# Altium PCB ACS712.PcbDoc (continued)
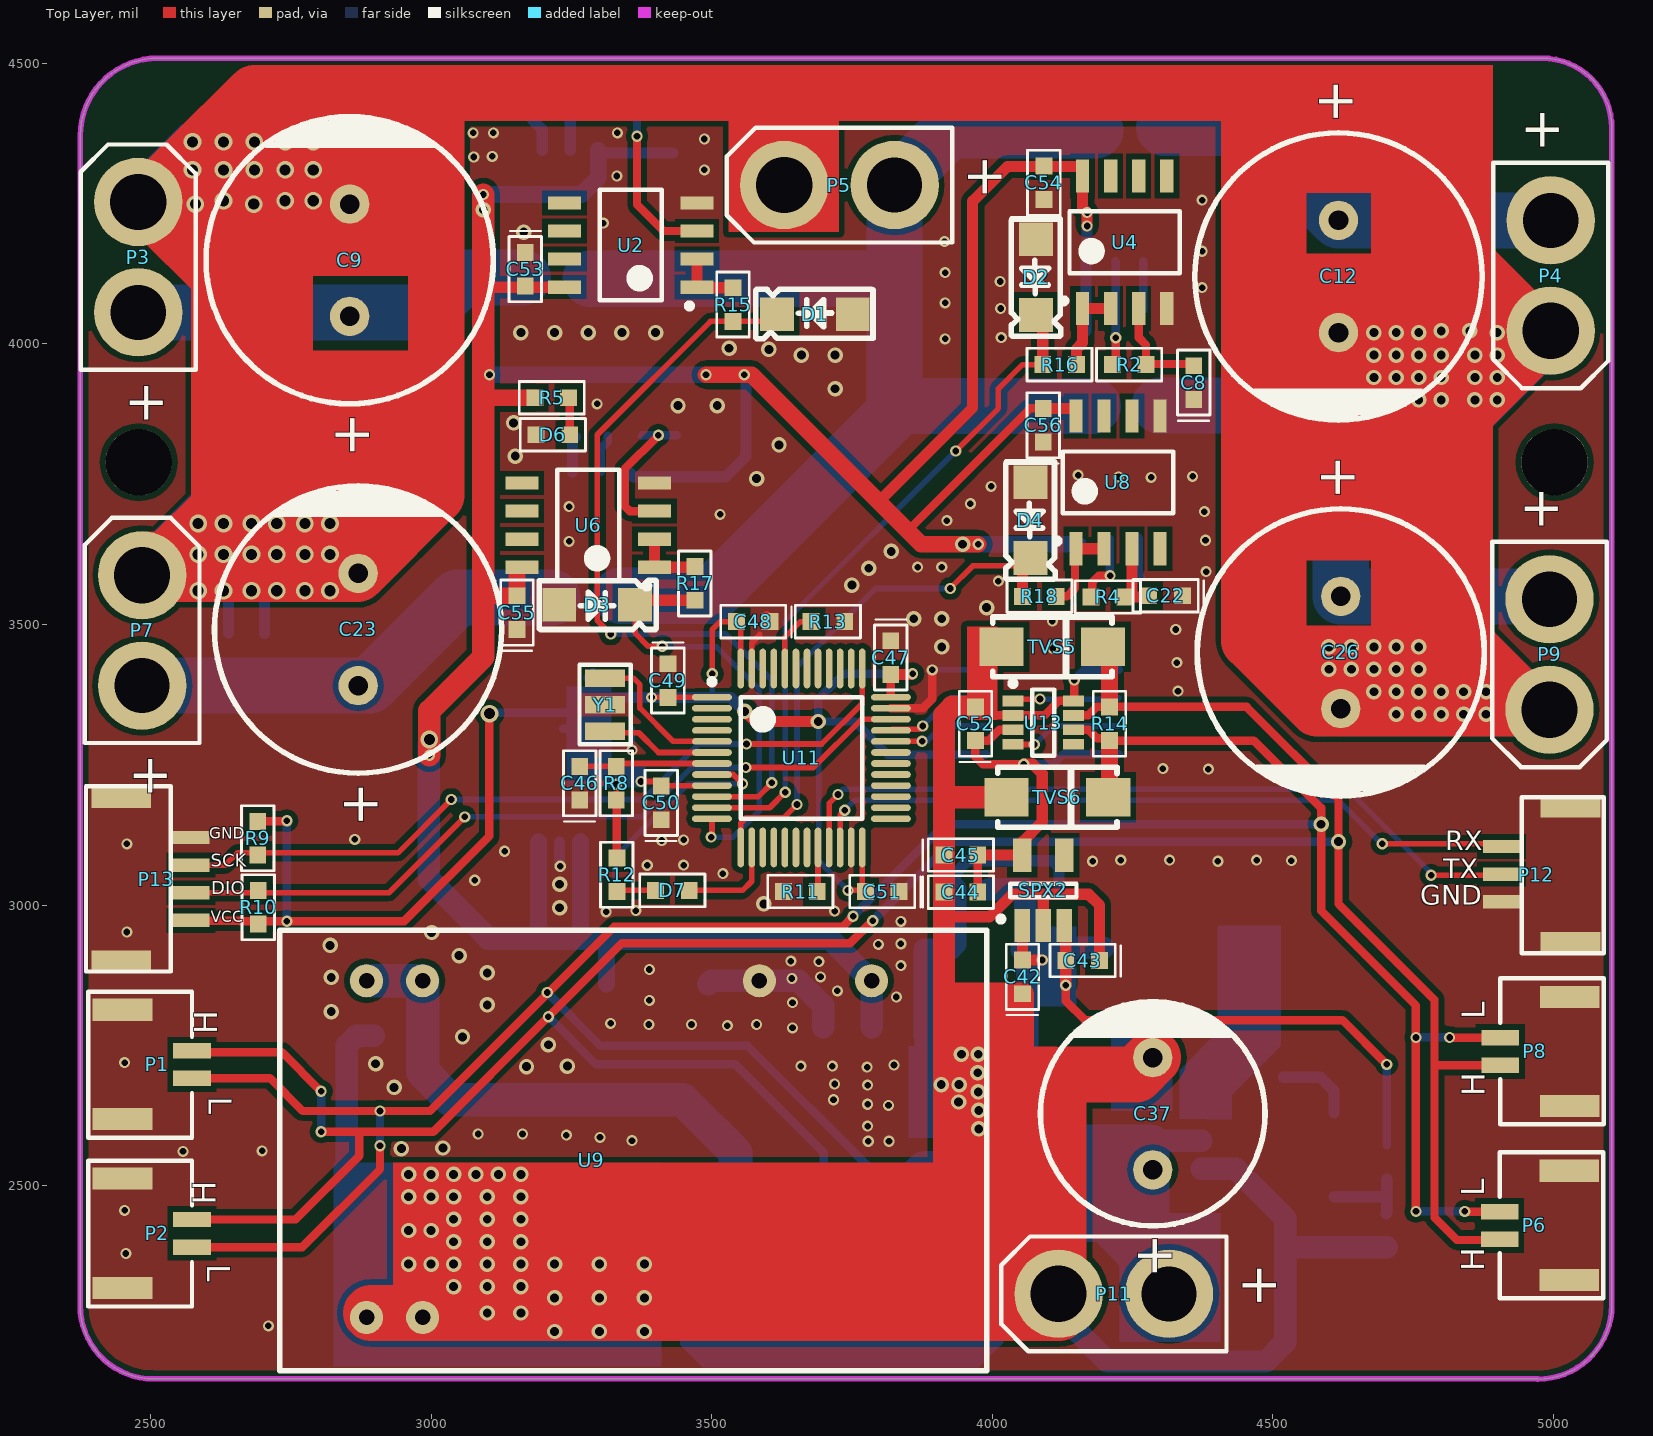
[diagram p0: Top Layer view]
## Footprints (in the part's own frame and the unit in brackets; to place one, negate y for a bottom-side part, rotate by r counter-clockwise, add the part's x,y. Pads: shape width x height; smd on the part's side, far side on the other; paste and mask are expansions set on the pad) (continued)
CSTCE [mm]
  rect 0.8x1.8 smd: 1(-1.2,0) 2(1.2,0) 3(0,0)
  silkscreen extent -1.8,-1.16 1.8,1.17, body extent -1.6,-0.65 1.6,0.65, height 0.7
D1206 [mil]
  rect 60x60 smd: 1(67.5,0) 2(-67.5,0)
  silkscreen extent -106,-44 104,44, body extent -66,-29 71,28, height 59
DO-214AA [mm]
  rect 1.59x3 smd: 1(-2.25,0) 2(2.25,0)
  silkscreen extent -3.4,-1.85 3.4,1.85, body extent -2.7,-1.77 2.7,1.83, height 2.32
DO-214AC [mm]
  rect 2x1.75 smd: 1(-2.3,0) 2(2.3,0)
  silkscreen extent -2.7,-1.35 2.7,1.35, body extent -2.74,-1.52 2.74,1.27, height 2.3
GH1.25-2P [mm]
  rect 1x2.7 smd: 0(-2.475,-1.575) 0(2.475,-1.575)
  rect 0.7x1.7 smd: 1(-0.625,1.575) 2(0.625,1.575)
  silkscreen extent -3.29,-3.12 3.31,1.58
GH1.25-3P [mm]
  rect 1x2.7 smd: 0(-3.099,-1.562) 0(3.099,-1.562)
  rect 0.6x1.7 smd: 1(1.275,1.562) 2(0.025,1.562) 3(-1.225,1.562)
  silkscreen extent -3.56,-3.06 3.51,0.65
GH1.25-4P [mm]
  rect 1x2.7 smd: 0(-3.721,-1.575) 0(3.721,-1.575)
  rect 0.6x1.7 smd: 1(1.863,1.575) 2(0.613,1.575) 3(-0.637,1.575) 4(-1.887,1.575)
  silkscreen extent -4.2,-3.18 4.18,0.66
L0630 [mm]
  rect 2.8x2 smd: 1(-3.153,0)
  rect 2.6x2 smd: 2(3.429,0)
  silkscreen extent -3.15,-3.68 3.43,3.56
LQFP48_N [mm] "Thin QFP, 48-Leads, Body 7x7mm, Pitch 0.5mm, IPC Medium Density"
  oval 1.8x0.3 smd: 1(-4.05,2.75) 2(-4.05,2.25) 3(-4.05,1.75) 4(-4.05,1.25) 5(-4.05,0.75) 6(-4.05,0.25) 7(-4.05,-0.25) 8(-4.05,-0.75) 9(-4.05,-1.25) 10(-4.05,-1.75) 11(-4.05,-2.25) 12(-4.05,-2.75) 25(4.05,-2.75) 26(4.05,-2.25) 27(4.05,-1.75) 28(4.05,-1.25) 29(4.05,-0.75) 30(4.05,-0.25) 31(4.05,0.25) 32(4.05,0.75) 33(4.05,1.25) 34(4.05,1.75) 35(4.05,2.25) 36(4.05,2.75)
  oval 0.3x1.8 smd: 13(-2.75,-4.05) 14(-2.25,-4.05) 15(-1.75,-4.05) 16(-1.25,-4.05) 17(-0.75,-4.05) 18(-0.25,-4.05) 19(0.25,-4.05) 20(0.75,-4.05) 21(1.25,-4.05) 22(1.75,-4.05) 23(2.25,-4.05) 24(2.75,-4.05) 37(2.75,4.05) 38(2.25,4.05) 39(1.75,4.05) 40(1.25,4.05) 41(0.75,4.05) 42(0.25,4.05) 43(-0.25,4.05) 44(-0.75,4.05) 45(-1.25,4.05) 46(-1.75,4.05) 47(-2.25,4.05) 48(-2.75,4.05)
  silkscreen extent -4.17,-2.75 2.75,3.57, body extent -3.5,-3.5 3.5,3.5, height 1.6
PH2.0-8P [mm]
  rect 1x3 smd: 1(-7,2.5) 2(-5,2.5) 3(-3,2.5) 4(-1,2.5) 5(1,2.5) 6(3,2.5) 7(5,2.5) 8(7,2.5) 9(-9,-2.5) 10(9,-2.5)
  silkscreen extent -10,-4.5 10,0.89
R0603 [mil]
  rect 30x30 smd: 1(30,0) 2(-30,0)
  silkscreen extent -58,-29 58,29, body extent -32,-16 31,16, height 36
SOIC-8#1 [mm]
  rect 1.5x0.6 smd: 1(-3,1.905) 2(-3,0.635) 3(-3,-0.635) 4(-3,-1.905) 5(3,-1.905) 6(3,-0.635) 7(3,0.635) 8(3,1.905)
  silkscreen extent -2.77,-2.5 1.4,2.88, body extent -3.05,-2.44 3.05,2.46, height 1.51
SOIC-8#2 [mm]
  rect 2x0.6 smd: 1(-3,1.905) 2(-3,0.635) 3(-3,-0.635) 4(-3,-1.905) 5(3,-1.905) 6(3,-0.635) 7(3,0.635) 8(3,1.905)
  silkscreen extent -2.78,-2.5 1.4,2.88, body extent -3.05,-2.44 3.05,2.46, height 1.51
SOT23-5 [mm]
  rect 1.5x0.7 smd: 1(-1.595,0.95) 2(-1.595,0) 3(-1.595,-0.95)
  rect 1.5x0.85 smd: 4(1.595,-0.95) 5(1.595,0.95)
  silkscreen extent -1.42,-1.5 0.3,2.05, body extent -1.39,-1.46 1.41,1.44, height 1.09
SOT-23-8P [mm]
  rect 0.95x0.49 smd: 1(-1.375,0.975) 2(-1.375,0.325) 3(-1.375,-0.325) 4(-1.375,-0.975) 5(1.375,-0.975) 6(1.375,-0.325) 7(1.375,0.325) 8(1.375,0.975)
  silkscreen extent -1.5,-1.5 0.5,1.9, body extent -1.39,-1.5 1.39,1.5, height 1.45
VRB_ZP-6WR3 [mm]
  round 1.5 on Top Overlay: 2(-12.7,-8.128) 11(12.7,-7.112)
  round 1.5 hole 0.7: 2(-10.16,-7.112) 3(-7.62,-7.112) 14(12.7,8.128) 16(7.62,8.128) 22(-7.62,8.128) 23(-10.16,8.128)
  silkscreen extent -14.1,-9.53 17.91,10.41
XT30U-F [mm]
  round 4 hole 2.5: 1(0,0)
  round 4 hole 2.55: 2(5,0)
  silkscreen extent -2.6,-2.6 7.6,2.6, body extent -2.71,-2.7 7.69,2.6, height 12.6

## Part data
C1 C2 C3 C4 C5 C6 C7 C8 C10 C11 C13 C14 C15 C16 C17 C18 C19 C20 C21 C22 C24 C25 C27 C28 C29 C30 C31 C32 C33 C34 C35 C38 C39 C40 C41 C42 C43 C44 C45 C46 C47 C48 C49 C50 C51 C52: library part CAP
C9 C12 C23 C26 C36 C37: library part "CAP POL"
D5: library part "Diode Schottky"
L1: library part L电感
P1 P2 P3 P4 P5 P6 P7 P8 P9 P11: "Header, 2-Pin"
P10: library part "Header 8", "Header, 8-Pin"
P12: "Header, 3-Pin"
P13: "Header, 4-Pin"
R1 R2 R3 R4 R5 R6 R7 R8 R9 R10 R11 R12 R13 R14 R15 R16 R17 R18: library part Resistance
SPX1 SPX2: library part XC6219
TVS1 TVS2 TVS3 TVS5: library part TVS, "SMBJ24CA"
TVS6: library part TVS
U11: "STM32 ARM-based 32-bit MCU Performance Line with 64 kB Flash, 20 kB Internal RAM, -40 to +85癈 Temperature, 48-Pin LQFP, Tray"
Y1: library part CSTCE

## Free pads (board coordinates)
  round 118.11 hole 118.11: 2(2479,3789) 3(5002,3789)

## Via types
v1: diameter 27.56, hole 15.75, Top Layer to Bottom Layer, tented both sides, 139 vias
v2: diameter 19.68, hole 11.81, Top Layer to Bottom Layer, tented both sides, 101 vias
v3: diameter 20, hole 11.81, Top Layer to Bottom Layer, tented both sides, 65 vias
v4: diameter 31.5, hole 19.68, Top Layer to Bottom Layer, tented both sides, 35 vias

## Nets (pads, with @x,y where several pads share a name; then routed paths per layer and width w, separated by ;. In a path a pad name is that pad's centre, name@x,y a point inside that pad or via, vN(x,y) a via of type N, cw(c..) or ccw(c..) an arc to the next point about the centre after c; other vN are vias at no path point)
3.3V: C44.2 C45.2 C52.1 SPX2.5 U12.8 U13.3 | length 715.1
  Top Layer w15: C45.2@3970,3096 C45.2@3975.5,3090.5 ; C52.1 3970,3264 3983,3251 v3(4056,3251) ; C44.2 C45.2 ; C52.1@3980,3293 3993,3293 4012.2,3312.2 U13.3 ; SPX2.5@4053.39,3089 SPX2.5
  Top Layer w20: C45.2 SPX2.5@4053.39,3089 ; SPX2.5 4053.6,3112.6 4089,3148 4089,3234 4072,3251 v3(4056,3251)
  Bottom Layer w15: v3(4056,3251) 4109,3251 4127,3269 U12.8
5V: C30.2 C31.2 C36.1 C42.2 C43.2 D5.2 L1.2 R6.1 SPX2.1 SPX2.3 TVS1.2 | length 1610.9
  Top Layer w15: v3(4131,2857) 4131,2829 4165,2795 4624,2795 v3(4703,2716)
  Top Layer w20: SPX2.1 4054,2962.8 C42.2 v3(4089,2902) ; SPX2.3 4131,2960.61 C43.2 v3(4131,2857)
  Bottom Layer w15: R6.1 4703,2717 v3(4703,2716)
  Bottom Layer w40: C31.2@3995,3028 C30.2 4059,2926.5 C36.1@4056.5,2924 ; TVS1.2 C36.1@4062.55,2903 ; C36.1@4062.55,2909.95 C36.1 C36.1@4056.5,2924 ; L1.2 C36.1@4056.5,2924
CAN1_N: P1.2 P2.2 P6.2 P8.2 P10.1 R14.1 TVS6.2 U13.6 | length 5219.9
  Top Layer w15: P2.2 2770.39,2390.39 2909,2529 v3(2909,2571) ; P1.2 2712.61,2691.39 2771,2633 v3(2909,2633) 2998,2633 3326,2961 3733,2961 v3(3752,2980) ; U13.6 4171.8,3312.2 4187,3297 4205,3297 R14.1 4466,3293 4586,3173 v1(4586,3144) 4586,2990 4755,2821 v3(4755,2764) v3(4755,2454) ; TVS6.2 TVS6.2@4209,3194.45 ; v3(4815,2764) 4815.39,2763.61 P8.2 ; v3(4842,2454) 4842.39,2453.61 P6.2
  Top Layer w30: TVS6.2@4209,3194.45 R14.1
  Bottom Layer w15: v3(2909,2571) v3(2909,2633) ; v3(3207,2844) 3302,2749 3564,2749 3778.59,2534.41 P10.1 ; v3(3752,2980) 3916,3144 v1(4586,3144) ; v3(4755,2454) v3(4842,2454) ; v3(4755,2764) v3(4815,2764)
CAN1_P: P1.1 P2.1 P6.1 P8.1 P10.2 R14.2 TVS5.2 U13.7 | length 5167.9
  Top Layer w15: P2.1 2758.61,2439.61 2872,2553 2872,2596 ; P1.1@2574.01,2738 2734,2738 v3(2804,2668) ; v3(2804,2596) 2872,2596 ; v3(3787,2972) 3747,2932 3340,2932 v3(3209,2801) 3004,2596 2872,2596 ; U13.7 4170.8,3337.8 4186,3353 R14.2 4453.36,3353 4617,3189.36 v1(4617,3113) 4617,3002 4788,2831 4788,2714 ; P6.1@4899,2403 4828,2403 4788,2443 4788,2714 ; P8.1 4788.39,2714.39 4788,2714
  Top Layer w30: TVS5.2 4209,3448.55 R14.2
  Bottom Layer w15: v3(2804,2596) v3(2804,2668) ; v3(3209,2801) 3294,2716 3542,2716 3699.85,2558.15 P10.2 ; v3(3787,2972) 3928,3113 v1(4617,3113)
CAN1_RX(PA11): U11.32 U12.2 | length 180.8
  Top Layer w10: U11.32 3819.92,3292 v3(3875,3292)
  Bottom Layer w10: v3(3875,3292) 3884,3292 3911,3319 U12.2
CAN1_TX(PA12): U11.33 U12.3 | length 193.4
  Top Layer w10: U11.33 3821.24,3313 3870,3313 v3(3876,3319)
  Bottom Layer w10: v3(3876,3319) 3926,3369 U12.3
DGND: C1.1 C2.1 C3.1 C4.1 C5.1 C6.1 C7.1 C8.1 C15.1 C16.1 C17.1 C18.1 C19.1 C20.1 C21.1 C22.1 C32.1 C33.1 C34.1 C35.1 C41.1 C46.1 C47.1 C48.1 C49.1 C50.1 C51.1 C53.1 C54.1 C55.1 C56.1 D1.1 D2.1 D3.1 D4.1 D6.2 P1.0 P2.0 P6.0 P8.0 P12.0 P12.3 P13.0 P13.4 R11.1 R13.1 SPX1.2 TVS2.1 TVS3.2 U1.5 U2.4 U3.5 U4.4 U5.5 U6.4 U7.5 U8.5 U9.16 U11.8 U11.23 U11.35 U11.47 U12.4 Y1.3 | length 1041.3
  Top Layer w10: U11.8 3538.53,3232.47 v3(3555,3216) ; U11.47 3571.42,3467.42 3586,3482 ; R13.1 R13.1@3739,3507
  Top Layer w15: C48.1@3598,3516 C48.1@3606,3508 ; U11.35 3876.58,3350.58 3893,3367 v3(3893,3419)
  Top Layer w30: D4.1@4068.5,3751 D4.1@4070,3749.5
  Bottom Layer w10: C33.1 3327,3085 3458,3216 v3(3555,3216) ; v3(3358,3276) C34.1 ; v3(3893,3419) U12.4
  Bottom Layer w20: SPX1.2 3229,3070 v3(3230,3069)
  Bottom Layer w40: TVS3.2 3499.55,2865 U9.16 3655,2865 3698.69,2821.31 C41.1
  other v1: 2947,2566 3021,2567 2934,2675 3170,2712 3243,2713 2901,2717 3209,2751 3056,2765 2822,2810 3100,2822 2822,2871 3100,2879 3050,2910 2820,2928 3001,2951 3229,2995 3593,3002 3229,3037 3910,3460 3860,3510 3910,3510 3990,3530 3750,3570 3780,3600 3820,3630 3580,3760 3150,3800 3620,3820 3147,3859 3440,3890 3510,3890 3720,3920 3660,3980 3720,3980 3602,3990 3531,3992 3160,4020 3220,4020 3280,4020 3340,4020 3400,4020 3165,4199
  other v2: 2710,2250 2456,2379 2454,2456 2558,2561 2699,2562 3779,2579 3816,2579 3358,2580 3301,2586 3241,2590 3084,2592 3163,2592 3778,2606 3815,2643 3778,2645 3717,2653 3778,2679 3719,2681 3777,2711 3659,2713 3715,2713 3825,2715 2454,2719 3644,2781 3528,2785 3388,2787 3464,2787 3580,2787 3320,2789 3644,2826 3389,2830 3829,2836 3724,2847 3643,2869 3694,2872 3389,2885 3837,2892 3691,2899 3641,2900 3797,2930 3837,2931 2458,2952 3837,2971 3312,2988 3719,2989 3365,2990 3520,3056 3450,3071 4179,3078 4402,3078 4533,3079 4229,3080 4316,3080 4471,3080 2458,3109 3411,3115 3450,3116 2864,3117 4385,3242 4304,3243 4331,3381 4329,3432 4108,3457 4327,3491 4107,3506 4011,3577 4381,3594 3867,3602 3910,3602 3246,3648 4380,3650 3919,3685 3515,3696 4378,3701 3246,3710 3961,3715 3998,3746 4283,3762 4225,3763 4357,3764 4153,3766 3296,3893 3916,4009 4016,4011 4015,4063 3916,4073 4374,4100 4082,4109 4014,4111 3916,4127 4374,4165 3915,4182 3307,4215 4374,4256 3331,4299 3487,4310 3076,4333 3487,4365 3075,4376 3111,4376 3332,4376
  other v3: 3078,3044 3385,3071 3131,3096 3109,4334
GND: C30.1 C31.1 C36.2 C37.2 C38.1 C39.1 C40.1 C42.1 C43.1 C44.1 C45.1 C52.2 D5.1 P10.6 P10.7 P10.8 P10.10 P11.2 R7.2 SPX2.2 TVS1.1 TVS5.1 TVS6.1 U9.2@2885,2265 U9.3 U10.6 U12.5 U13.2 U13.8 | length 5774.9
  Top Layer w15: 3997,3337.8 U13.2 4092.8,3337.8 4119.25,3364.25 4146,3364.25 v3(4146,3401)
  Top Layer w20: 3914,2979 3995,2979 4035,3019 4172,3019 4191,3000 C43.1 ; SPX2.2 4091,3017
  Top Layer w40: 3908,2523 3914,2529 3914,2839 ; C52.2 3929.09,3353 3914,3337.91 3914,3190 ; TVS6.1 3916,3192 3914,3190 ; C42.1 3917,2842 3914,2839 ; 3914,2839 3914,2979 C45.1 3914,3190
  Top Layer w100: U9.2@2893,2273 P11.2@4119.15,2273 ; P11.2 4118.15,2689.15 4127,2698 4256,2698 C37.2
  Bottom Layer w15: v3(4146,3401) 4164,3419 U12.5
  Bottom Layer w20: C31.1 3934,3056 3957,3079 4107,3079 4119,3067 C30.1 ; C37.2 C37.2@4309,2751
  Bottom Layer w40: 2850,2525 2850,2750 2867,2767 C40.1 ; TVS1.1 3881.45,2762.97 D5.1 3879.42,2920 C36.2 3934,2930.5 C31.1 ; P11.2 4118.15,2273.85 4205.42,2186.58 4487.58,2186.58 4522,2221 4522,2390 ; U10.6 4434,2530 4522,2442 4522,2390 ; R7.2 4522,2390
  other v1: 3220,2240 3300,2240 3380,2240 3100,2273 3160,2273 3220,2300 3300,2300 3380,2300 3040,2320 3100,2320 3160,2320 2960,2360 3000,2360 3040,2360 3100,2360 3160,2360 3220,2360 3300,2360 3380,2360 3040,2400 3100,2400 3160,2400 2960,2420 3000,2420 3040,2440 3100,2440 3160,2440 2960,2480 3000,2480 3040,2480 3100,2480 3160,2480 2960,2520 3000,2520 3040,2520 3080,2520 3120,2520 3160,2520 3976,2601 3976,2634 3940,2649 3975,2667 3909,2680 3941,2680 3974,2701 3945,2734 3975,2734
LED(PA4): D7.2 U11.14 | length 178.4
  Top Layer w10: D7.2 3555,3026 3571.42,3042.42 U11.14
NetC5_2: C5.2 U1.6 | length 82.9
  Bottom Layer w20: C5.2 3181,4399 3198,4382 U1.6
NetC6_2: C6.2 R1.1 U2.3 | length 367.4
  Top Layer w15: v3(3367,4370) 3367,4248 3414,4201 U2.3
  Bottom Layer w15: C6.2 3367,4418 v3(3367,4370)
  Bottom Layer w20: R1.1@3299,4425 3304,4420 C6.2
NetC7_2: C7.2 U3.6 | length 86.9
  Bottom Layer w15: C7.2@4269,4060 U3.6
NetC8_2: C8.2 R2.1 U4.3 | length 182.7
  Top Layer w15: U4.3 4261,4011 4274,3998 R2.1@4274,3969 ; R2.1 4275,3964 C8.2@4357,3964
NetC9_1: C9.1 C10.2 C11.2 P3.1 U1.3 U1.4 | length 721.6
  Bottom Layer w20: 2625,4056 2630,4061 ; 2693,4056 2695,4058
  Bottom Layer w100: P3.1 2625,4056 2693,4056 2993,4056 3055,4118 3164,4118
NetC12_1: C12.1 C13.2 C14.2 P4.1 U3.3 U3.4 | length 757.3
  Bottom Layer w100: 4306,4385 4452,4385 C12.1 P4.1
NetC19_2: C19.2 U5.6 | length 64
  Bottom Layer w20: U5.6 3252,3829 C19.2@3257,3834
NetC20_2: C20.2 U7.6 | length 71.1
  Bottom Layer w20: U7.6 4259,3586 C20.2
NetC21_2: C21.2 R3.1 U6.3 | length 269.1
  Top Layer w15: U6.3 3354,3702 3345,3711 3345,3777 v3(3405,3837)
  Bottom Layer w15: R3.1 3376,3837 v3(3405,3837) ; v3@3407,3837 C21.2
NetC22_2: C22.2 R4.1 U8.3 | length 124.9
  Top Layer w20: R4.1 C22.2@4279,3549 ; R4.1@4249,3553 U8.3
NetC23_1: C23.1 C24.2 C25.2 P7.1 U5.3 U5.4 | length 796
  Bottom Layer w100: P7.1 C23.1 2890,3391 3047,3548 3216,3548
NetC26_1: C26.1 C27.2 C28.2 P9.1 U7.3 U7.4 | length 976.5
  Bottom Layer w100: U7.4@4298,3890 4507,3890 4621,3776 C26.1 4973,3550 P9.1@4993,3530
NetC29_1: C29.1 L1.1 U10.8
NetC29_2: C29.2 U10.1 | length 139
  Bottom Layer w20: C29.2 4585,2693 4609.11,2668.89 U10.1
NetD6_1: D6.1 R5.2 | length 66.8
  Top Layer w15: R5.2 3247,3902 D6.1
NetD7_1: D7.1 R12.1 | length 69.8
  Top Layer w10: R12.1 3333,3026 D7.1
NetR6_2: R6.2 R7.1 U10.4 | length 156.7
  Bottom Layer w20: U10.4 4702,2480 4703,2481 ; R7.1@4702,2450 4703,2451 4703,2481 ; R6.2 4703,2481
NetR11_2: R11.2 U11.20 | length 79.2
  Top Layer w10: R11.2 3689.53,3025.53 U11.20
NetR13_2: R13.2 U11.44 | length 114
  Top Layer w10: U11.44 3630.47,3477.47 3658,3505 R13.2
NetR15_2: R15.2 U2.1 U2.2 | length 114.4
  Top Layer w10: U2.1 U2.1@3475,4100
  Top Layer w20: U2.1 U2.2 ; U2.1@3475,4100 R15.2
NetR16_2: R16.2 U4.1 U4.2 | length 154.4
  Top Layer w20: R16.2 4150,3991 4161,4002 U4.1 U4.2
NetR17_1: R17.1 U6.1 U6.2 | length 122.3
  Top Layer w20: U6.2 U6.1 3469,3602 R17.1
NetR18_2: R18.2 U8.1 U8.2 | length 161.4
  Top Layer w15: R18.2 4133,3550 4147.5,3564.5 4147.5,3634.89 U8.1
  Top Layer w20: U8.1 U8.2
NetU11_5: U11.5 Y1.1 | length 261.8
  Top Layer w10: Y1.1 3360.76,3404.24 3372,3393 3372,3351 3431.47,3291.53 U11.5
NetU11_6: U11.6 Y1.2 | length 206.3
  Top Layer w10: Y1.2 3312.76,3307 3370,3307 3405.16,3271.84 U11.6
NetU12_6: U12.6 U13.1 | length 190.6
  Top Layer w10: U13.1 4040.48,3367 v3(4085,3367)
  Bottom Layer w10: v3(4085,3367) 4223.11,3367 U12.6
NetU12_7: U12.7 U13.4 | length 202.2
  Top Layer w10: U13.4 4037.48,3286 v3(4075,3286)
  Bottom Layer w10: v3(4075,3286) 4076,3286 4109,3319 U12.7
NRST: C46.2 R8.1 U11.7 | length 237.7
  Top Layer w10: C46.2 R8.1 3335.16,3252.16 U11.7
OUT0: R1.2 U1.7 | length 66.9
  Bottom Layer w20: U1.7 R1.2@3248,4412
OUT1: R2.2 U3.7 | length 180.8
  Top Layer w15: R2.2@4214,3969 4220,3975 v3(4220,4011)
  Bottom Layer w15: U3.7 4220,4145.89 v3(4220,4011)
OUT2: R3.2 U5.7 | length 69.3
  Bottom Layer w15: U5.7 3302,3813 3315,3826 R3.2
OUT3: R4.2 U7.7 | length 130.1
  Top Layer w15: R4.2 4178,3551 4178,3575 4190,3587 v3(4210,3587)
  Bottom Layer w15: U7.7 4209,3588 v3(4210,3587)
PGND: C9.2 C10.1 C11.1 C12.2 C13.1 C14.1 C23.2 C24.1 C25.1 C26.2 C27.1 C28.1 P3.2 P4.2 P5.2 P7.2 P9.2 | length 8661.7
  Top Layer w100: P3.2 v4@2622,4252.85 ; P7.2@2485,3589.85 2868.85,3589.85 C23.2 3009.16,3730.16 3009.16,4403.16 ; C9.2@2858.85,4252.85 v4@2622,4252.85 ; P5.2 3629.15,4440.15 3636,4447 ; C12.2 4991.85,4020 P4.2 ; 4797,4109.15 4797,4389 4739,4447 4453,4447 ; P9.2 4991.15,3350 C26.2 4579,3350 4458,3471 4458,4442 4453,4447 ; v4@2622,4252.85 2622,4384 2685,4447 3636,4447 ; 3636,4447 4453,4447
  Bottom Layer w20: v4@2623,4249 2629,4243 C11.1 ; 2638,3591 2639,3590 C24.1 ; v4(2684,4249) 2695,4238 C10.1 ; 2694,3591 2703,3582 C25.1
  Bottom Layer w30: 4784,4023.15 4793,4032.15 C13.1 ; v1@4799,3350 4801,3352 C28.1 ; v1(4851,4023.15) C14.1 ; 4866,3350 4867,3351 C27.1
  Bottom Layer w100: P3.2 2481.85,4249 2623,4249 v4(2684,4249) C9.2 ; P7.2 2488.15,3591 2638,3591 2694,3591 C23.2 ; C12.2@4620.15,4023.15 4784,4023.15 v1(4851,4023.15) P4.2 ; C26.2 4799,3350 4866,3350 4991.15,3350 P9.2
  other v1: 4720,3340 4760,3340 4800,3340 4840,3340 4880,3340 4680,3380 4720,3380 4760,3380 4800,3380 4840,3380 4880,3380 4600,3420 4640,3420 4680,3420 4720,3420 4760,3420 4600,3460 4640,3460 4680,3460 4720,3460 4760,3460 4720,3900 4760,3900 4800,3900 4860,3900 4900,3900 4680,3940 4720,3940 4760,3940 4800,3940 4860,3940 4900,3940 4680,3980 4720,3980 4760,3980 4800,3980 4860,3980 4900,3980 4680,4020 4720,4020 4760,4020 4900,4020 4800,4023.15
  other v4: 2585,3560 2630,3560 2680,3560 2725,3560 2775,3560 2820,3560 2585,3625 2630,3625 2680,3625 2725,3625 2775,3625 2820,3625 2585,3680 2630,3680 2680,3680 2725,3680 2775,3680 2820,3680 2580,4249 2630,4255 2740,4255 2790,4255 2575,4310 2630,4310 2685,4310 2740,4310 2790,4310 2575,4360 2630,4360 2685,4360 2740,4360 2790,4360
SUPPLY+24: P5.1 U1.1 U1.2 U3.1 U3.2 U5.1 U5.2 U7.1 U7.2 | length 2325.4
  Bottom Layer w100: 3284,4116 3818,4116 3826,4124 ; 3338,3551 3498,3551 3825,3878 3825,3889 ; 4179,3889 3825,3889 ; 4184,4380 3923,4380 P5.1 3826,4124 ; 3825,3889 3826,3890 3826,4124
SWCLK(PA14): P13.3 R9.2 U11.37 | length 1377.8
  Top Layer w10: P13.3 2633.07,3071.07 2655,3093 2941,3093 v3(3036,3188) ; v3(3562,3287) 3696,3287 3768.27,3359.27 U11.37
  Bottom Layer w10: v3(3036,3188) 3378,3188 3477,3287 v3(3562,3287)
SWDIO(PA13): P13.2 R10.2 U11.34 | length 1375.5
  Top Layer w10: P13.2 2924.86,3021.86 v3(3060,3157) ; v3(3561,3245) 3681,3245 3766.9,3330.9 U11.34
  Bottom Layer w10: v3(3060,3157) 3376,3157 3464,3245 v3(3561,3245)
USART3_RX(PB11): P12.1 U11.22 | length 1283.5
  Top Layer w10: U11.22 3728.9,3160.9 v3(3737,3169) ; v3(4695,3109) 4902.71,3109 P12.1
  Bottom Layer w10: v3(3737,3169) 3755,3187 4616,3187 4695,3108 v3(4695,3109)
USART3_TX(PB10): P12.2 U11.21 | length 1353.8
  Top Layer w10: U11.21 3709.21,3181.21 v3(3725,3197) ; v3(4782,3053) 4905.5,3053 P12.2
  Bottom Layer w10: v3(3725,3197) 3734,3206 4633,3206 4782,3057 v3(4782,3053)
VCC3.3V: C34.2 C35.2 C47.2 C48.2 C49.2 C50.2 C51.2 P13.1 R8.2 R9.1 R10.1 R12.2 SPX1.5 TVS2.2 U11.1 U11.9 U11.24 U11.36 U11.48 U12.1 | length 3336.1
  Top Layer w10: R8.2 v3(3330,3215) ; v3(3374,3220) 3402,3220 C50.2 3410.79,3212.79 U11.9 ; v3(3393,3370) C49.2 3500.28,3370 U11.1 ; v3(3501,3412) 3501,3491 3515,3505 3546,3505 3551.73,3499.27 U11.48 ; v3(3743,3026) 3765,3026 C51.2@3768.27,3022.73 ; U11.24 C51.2@3768.27,3022.73 ; C51.2@3769,3022 C51.2@3768.27,3022.73
  Top Layer w15: P13.1 2572.65,2972 2659,2972 2660,2971 v3(2743,2971) 2952,2971 3104,3123 v4(3104,3341) ; R9.1 2742,3149 v3(2743,3150) ; R8.2 3331,3186 R12.2 ; U11.36@3819,3372.94 C47.2
  Top Layer w20: v1(3559,3345) 3577,3327 v1(3690,3327) ; C47.2 3857,3411 v3(3858,3412)
  Bottom Layer w10: 3305,3369 3306,3370 3317,3370 ; 3501,3370 v3(3501,3412) ; v1@3691,3327 3691,3078 v3(3743,3026)
  Bottom Layer w15: v3(2743,2971) v3(2743,3150) ; v4(3104,3341) 3105.5,3342.5 3265.5,3342.5 ; C35.2 3267,3314 ; v1(3690,3327) 3690,3367 3735,3412 v3(3858,3412) ; v1@3693,3327 3755,3327 3813.97,3268.03 3987.92,3268.03 U12.1
  Bottom Layer w20: TVS2.2 TVS2.2@3288.55,3412 ; 3317,3370 v3(3393,3370) 3501,3370 3534,3370 v1(3559,3345) ; v1@3691,3327 v1@3693,3327
VCC5V: C1.2 C2.2 C3.2 C4.2 C15.2 C16.2 C17.2 C18.2 C32.2 C33.2 C41.2 C53.2 C54.2 C55.2 C56.2 R5.1 SPX1.1 SPX1.3 TVS3.1 U1.8 U2.8 U3.8 U4.8 U5.8 U6.8 U7.8 U8.8 U9.14 | length 6502.9
  Top Layer w15: 3850.5,3668.5 4067,3885 C56.2
  Top Layer w20: 3093,3493 3094,3492 ; 3093,4101 U2.8 ; 3801.5,3722.5 3965,3886 3965,4254 4027,4316 U4.8@4160,4316 ; C56.2 4149,3885 U8.8 ; U4.8 4161,4242 v3(4169,4234) v3(4169,4210)
  Top Layer w30: 3093,3543 3101,3551 C55.2 U6.8@3153,3593.11 ; 3093,3901 3096,3904 R5.1 ; v3(3490,3945) v3(3558,3945) 3571,3945 3873,3643 v3(3975,3643)
  Top Layer w40: v3(2997,3267) 2997,3346 3093,3442 3093,3493 3093,3543 3093,3901 3093,4101 v3(3093,4266)
  Bottom Layer w20: U1.8 3303.11,4340 C3.2 ; U5.8 3361.11,3763 C17.2 3525,3763 3561,3799 3561,3942 v3(3558,3945) ; C4.2 4167,4144.89 U3.8 v3(4169,4210)
  Bottom Layer w30: v1(3093,4239) v3(3093,4266) 3268,4266 3298,4296 U1.8 ; v3(3104,3945) v3(3490,3945) ; SPX1.3 3191.6,2957.4 3209,2940 ; 3266.4,2950.4 SPX1.1 ; 3310,2940 3312.45,2937.55 TVS3.1 ; v1(3947,3643) C18.2 U7.8@4153,3643
  Bottom Layer w40: v4@2996,3287 2996,3046 3102,2940 3209,2940 3310,2940 3710,2940 U9.14 3785.31,2864.69 C41.2
  other v4: 2997,3295
VCC24V: C37.1 C38.2 C39.2 C40.2 P10.3 P10.4 P10.5 P10.9 P11.1 U9.22 U9.23 U10.7 | length 1939.4
  Bottom Layer w40: C39.2 C38.2@4276,2588 ; C38.2@4299,2580 U10.7
  Bottom Layer w60: U9.23 U9.22 2985,2703 3035,2653 3448,2653 3542.37,2558.63 P10.4 ; C38.2@4286,2578 C37.1 4286,2336 P11.1
  Bottom Layer w80: 3860,2338 3860,2500 3882,2522 4232,2522
VO0(PA0): D1.2 R15.1 U11.10 | length 1395.8
  Top Layer w10: v3(3320,3483) 3296,3507 3296,3838 3498,4040 R15.1 3603.5,4040 D1.2 ; U11.10 3583.1,3193.1 3607,3217 v3(3607,3218)
  Bottom Layer w10: v3(3320,3483) 3525,3483 3607,3401 v3(3607,3218)
VO1(PA1): D2.2 R16.1 U11.11 | length 1212.8
  Top Layer w10: U11.11 3603.42,3173.42 v3(3631,3201) ; v3(3935,3809) 4011,3885 4011,3920 4054,3963 R16.1
  Top Layer w20: D2.2 4090,4039.5 R16.1
  Bottom Layer w10: v3@3634,3204 v3(3631,3201) 3631,3505 v3(3935,3809)
VO2(PA2): D3.2 R17.2 U11.12 | length 778.8
  Top Layer w10: D3.2 3363.5,3484.5 3387,3461 v3(3412,3461) ; v3(3499,3121) 3500.55,3122.55 U11.12
  Top Layer w20: D3.2 3371.5,3543 R17.2
  Bottom Layer w10: v3(3412,3461) 3412,3460.11 3508.89,3460.11 3585,3384 3585,3168 3538,3121 v3(3499,3121)
VO3(PA3): D4.2 R18.1 U11.13 | length 933.9
  Top Layer w10: U11.13 3551.73,3145.73 3561,3155 3628,3155 v3(3652,3179) ; v3(3925,3564) 3965.5,3604.5 D4.2@4054,3604.5
  Top Layer w20: R18.1 D4.2@4054,3604.5
  Bottom Layer w10: v3(3652,3179) 3652,3424 3792.5,3564.5 3793,3564 v3(3925,3564)
pads on no net: SPX1.4 SPX2.4 U2.5 U2.6 U2.7 U4.5 U4.6 U4.7 U6.5 U6.6 U6.7 U8.4 U8.6 U8.7 U9.2@2785,2225 U9.11 U10.2 U10.3 U10.5 U11.2 U11.3 U11.4 U11.15 U11.16 U11.17 U11.18 U11.19 U11.25 U11.26 U11.27 U11.28 U11.29 U11.30 U11.31 U11.38 U11.39 U11.40 U11.41 U11.42 U11.43 U11.45 U11.46 U13.5

## Polygon pours and split planes (outlines as drawn)
DGND on Top Layer "Bottom Layer-No Net" (solid, remove dead copper, pour order 78): 2325,4530 5040,4530 5130,4440 5165,4405 5165,2135 2400,2135 2325,2210
DGND on Bottom Layer "Bottom Layer-No Net" (solid, remove dead copper, pour order 80): 2345,4545 2350,4540 5130,4540 5130,2220 5030,2120 2345,2120

## Keep-outs
Keep-Out Layer:
  lines w10: 2374.73,2286.25 ccw(c2505.4,2286.25) 2505.4,2155.58 4972.36,2155.58 ; 2375,2286.25 2375,4371.44 cw(c2512.56,4371.44) 2512.56,4509 4979.93,4509 cw(c4979.93,4384.93) 5104,4384.93 5104,2286.84 cw(c4972.36,2286.84) 4972.36,2155.2

## Other copper
Top Layer:
  rectangle net PGND: 2774,3634 2970,3988
  rectangle net PGND: 2572,3625 2790,4121
  rectangle net PGND: 2572,4121 2990,4401
  rectangle net PGND: 4553,4269 4714,4404
  rectangle net PGND: 4552,4370 4691,4401
  rectangle net PGND: 3530,4199 3727,4424
  rectangle net PGND: 4496,3470 4560,4417
  rectangle net PGND: 4498,3391 4699,3498
  rectangle net PGND: 4498,3614 4722,4161
  rectangle net PGND: 4675,3397 4892,4497
  rectangle net PGND: 4744,3349 4849,4109.15
  rectangle net GND: 2932,2224 4091,2541
  rectangle net GND: 3922,2739 4074,2844
  rectangle net GND: 3955,3330 4009,3496
  rectangle net GND: 3914,2529 4115,2748
  region net PGND: 2591,4408 2591,4424 2485,4318 2485,4185 2574,4096
  region net PGND: 2496,3665 2508,3665 2577,3734 2579,3732 2579,3630 2503,3630 2496,3637
  region net PGND: 4889,4173 4982,4080 4982,3944 4890,3852
  region net PGND: 4888,3491 4889,3491 4977,3403 4961,3387 4887,3387
Bottom Layer:
  rectangle net GND: 4212,2633 4321,2764
  rectangle net VCC3.3V: 3282,3209 3383,3247
  rectangle net 5V: 4078,2819 4150,2962
  rectangle net VCC24V: 3445,2358 3639,2496
  rectangle net GND: 2826,2178 3411,2541
  rectangle net VCC24V: 3880,2380 4020,2516
  rectangle net GND: 3851,2585 3999,2749
  rectangle net VCC24V: 4227,2221 4407,2451
  rectangle net VCC5V: 3073,3914 3113,3987
  region net PGND: 2465,4300 2555,4390 2815,4390 2905,4300 2905,4250
  region net PGND: 2480,3640 2570,3730 2830,3730 2920,3640 2920,3590
  pour cut-out: 4209,3928 4276,3928 4276,3852 4273,3849 4208,3849
  region net PGND: 4580,3300 4580,3480 4902.04,3480 5056.02,3326.02
  region net PGND: 4580,3996 4723,3853 4893,3853 4991,3951 4991,3994
  region net VCC24V: 4060.52,2400 4020,2366.73 4020,2220 3976,2176 3484,2176 3444,2216 3444,2478 3637,2478 3640,2475 3639,2474 3639,2373 3886.95,2373 4163.13,2608 4200,2608 4283,2608 4283,2400
  region net VCC3.3V: 3242,3389 3321,3389 3321,3210 3242,3210
  region net NetC29_1: 4334,2619 4334,2706 4402,2774 4402,2961 4404,2963 4514,2963 4514,2886 4514,2749 4427,2662 4427,2617.67
  region net VCC24V: 4248,2337 4176,2409 4065,2409 4114,2458 4272,2458 4272,2338 4273,2337
  pour cut-out: 4199,3064.68 4199,2779 4456,2779 4456,3064.68
  pour cut-out: 3193,4158 3261,4158 3265,4154 3265,4078 3195,4078 3193,4080
  pour cut-out: 4210,4419 4211,4418 4287,4418 4287,4351 4286,4350 4284,4352 4210,4352
  pour cut-out: 3252,3589 3311,3589 3318,3582 3318,3509 3255,3509 3252,3512

## Silkscreen, mask and mechanical layers (free items; w line width, h text height)
Top Overlay:
  text "GND" at 2605,3111 h35
  text "RX" at 4807,3086 h60
  text "SCK" at 2607,3060 h40
  text "TX" at 4804,3036 h60
  text "DIO" at 2608,3011 h40
  text "GND" at 4763,2989 h60
  text "VCC" at 2607,2962 h35
  text "L" at 4891,2796 h70 r90
  text "H" at 2632,2770 h70 r90
  text "H" at 4891,2659 h70 r90
  text "L" at 2590,2658 h70 r270
  text "L" at 4890,2481 h70 r90
  text "H" at 2630,2466 h70 r90
  text "L" at 2588,2360 h70 r270
  text "H" at 4890,2347 h70 r90
Top Solder:
  rectangle: 3547,4270 3711,4452
  rectangle: 2599,4412 4864,4481
Bottom Solder:
  rectangle: 4248,2310 4315,2513
  rectangle: 3838,3866 4210,3918
  rectangle: 3234,4086 3820,4138
  region: 2550,3420 2875,3420 3010,3555 3255,3555 3255,3515 3040,3515 2900,3375 2550,3375
  region: 2550,4085 2970,4085 3015,4130 3195,4130 3200,4125 3200,4085 3045,4085 3000,4040 2545,4040
  region: 4279.13,2339.87 4185,2434 4028,2434 3968,2374 3968,2209 3947,2188 3877,2188 3877,2417.34 3983.66,2525 4247.35,2525 4322.88,2366 4322.88,2339.87
  region: 4272,4413 4470,4413 4630,4253 4951,4253 4951,4188 4604,4188 4438,4354 4272,4354
  region: 4213,4413 3917,4413 3826,4322 3826,4310 3859,4277 3939,4357 4213,4357
  region: 4604,3583 4947,3583 4947,3518 4604,3518
  region: 3300,3567 3466,3567 3789,3890 3789,4240 3790,4241 3850,4241 3850,3874 3486,3510 3300,3510
  region: 4250,3921 4504,3921 4645,3780 4645,3564 4592,3564 4592,3756 4473,3875 4250,3875

## Text inside footprints (layer, text, board x,y; h text height)
C9: Top Overlay "+" at 2830,3877 h68.9 r270
C12: Top Overlay "+" at 4642,4392 h68.9 r90
C23: Top Overlay "+" at 2845,3219 h68.9 r270
C26: Top Overlay "+" at 4646,3722 h68.9 r90
C37: Top Overlay "+" at 4260,2414 h68.9 r270
P3: Top Overlay "+" at 2453,3948 h118.11 r180
P4: Top Overlay "+" at 5020,4328 h118.11
P5: Top Overlay "+" at 3934,4258 h118.11 r270
P7: Top Overlay "+" at 2460,3283 h118.11 r180
P9: Top Overlay "+" at 5018,3653 h118.11
P11: Top Overlay "+" at 4423,2282 h118.11 r270